# Allegro board Single PMT Data AcquisitionV_3P3.brd (continued)
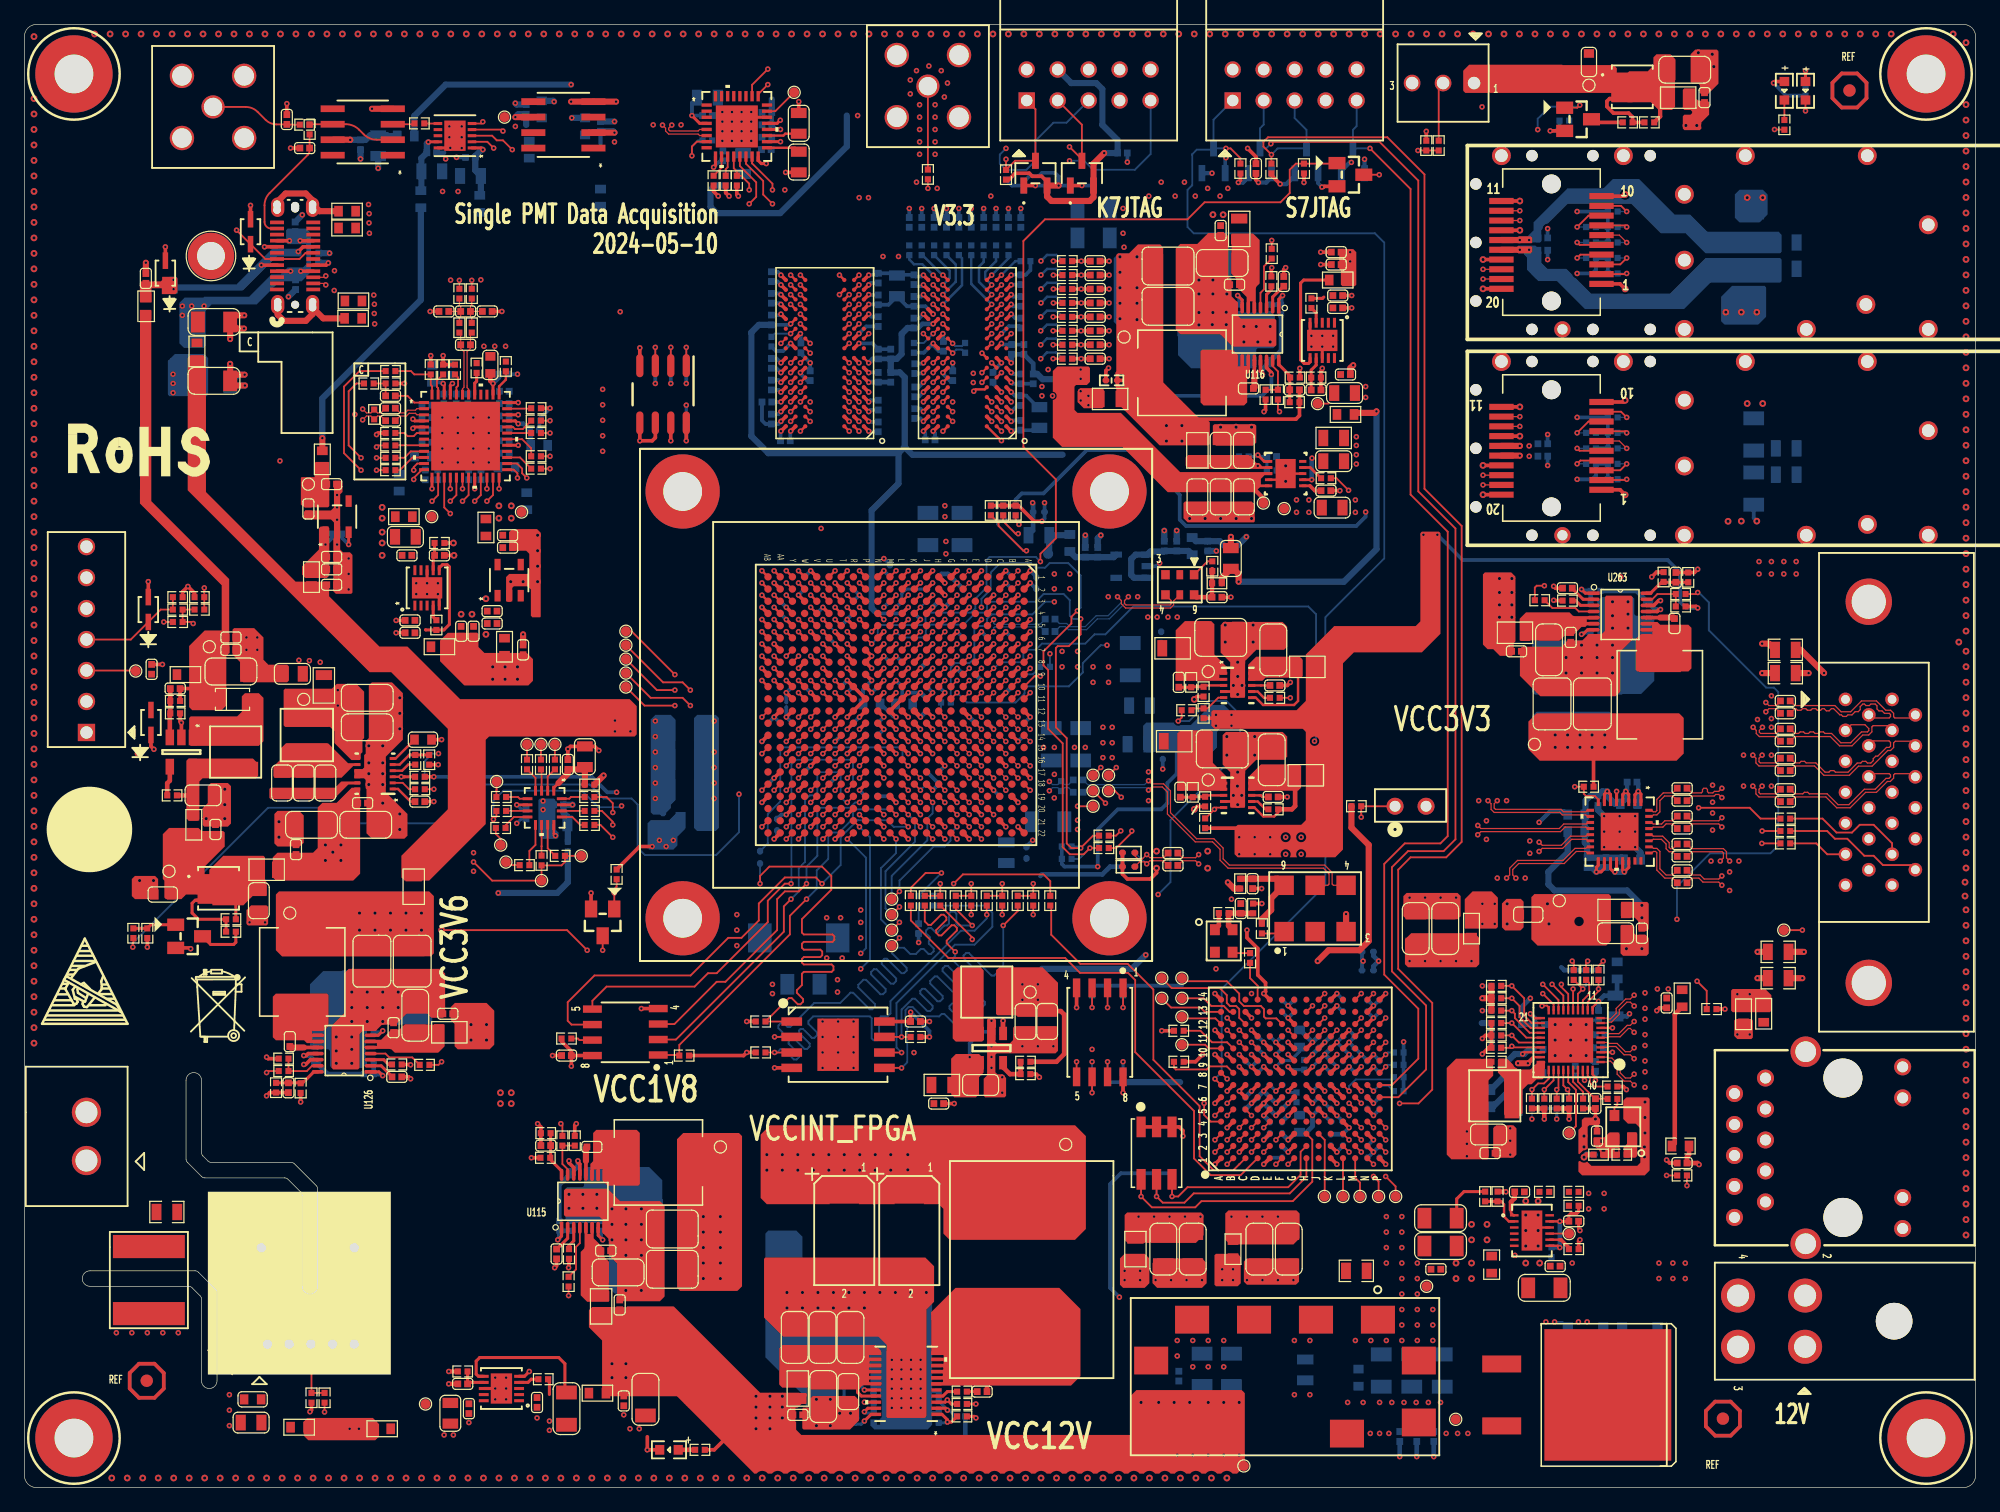
[diagram p0: board, top side]
## Copper pours and planes (outline as drawn; the poured copper is in the pictures) (continued)
N16645850 on BOTTOM: 103.89,12.45 106.05,12.45 106.17,12.32 106.17,10.16 106.05,10.03 103.89,10.03 103.76,10.16 103.76,12.32
N16650422 on TOP: 122.5,20.45 121.59,20.45 120.99,19.85 120.99,14.57 122.35,13.21 123.75,13.21 124,12.95 124,2.54 124.25,2.29 135,2.29 135.18,2.46 135.18,13.97 134.54,14.61 122.6,14.61 121.57,15.63 121.57,19.95 121.87,20.24 122.5,20.24 122.53,20.27 122.53,20.42
N16650422 on BOTTOM: 124.46,14.1 128.14,14.1 128.4,13.84 128.4,11.56 128.27,11.43 124.59,11.43 124.21,11.81 124.21,13.84
N16650476 on TOP: 124.79,24.82 124.79,22.56 124.71,22.48 124.71,22.28 124.76,22.23 125.93,22.23 126.54,22.83 126.84,22.83 126.89,22.89 126.89,24.71 126.67,24.94 124.91,24.94
N16650604 on TOP: 119.88,18.64 120.7,18.64 120.77,18.72 120.77,19.94 121.56,20.73 122.53,20.73 122.55,20.75 122.55,20.95 122.53,20.98 121.33,20.98 119.83,19.48 119.83,18.69
N16650648 on TOP: 120.72,17.91 120.72,12.93 122.86,10.79 122.86,9.53 122.73,9.4 119.81,9.4 119.55,9.65 119.55,10.79 119.81,11.05 119.81,17.86 119.94,17.98 120.65,17.98
N16651124 on BOTTOM: 129.16,14.1 131.32,14.1 131.44,13.97 131.44,11.68 131.19,11.43 129.16,11.43 129.03,11.56 129.03,13.97
N16671344 on TOP (solid shape): 70.25,11.2 70.25,10.88 69.31,10.88 69.25,10.83 69.25,10.7 69.31,10.65 70.25,10.65 70.25,10.38 69.34,10.38 69.29,10.33 69.29,10.21 69.34,10.16 70.25,10.16 70.25,9.87 69.3,9.87 69.25,9.82 69.25,9.7 69.3,9.65 70.26,9.65 70.26,9.38 69.31,9.38 69.26,9.32 69.26,9.2 69.31,9.15 70.25,9.15 70.25,8.87 69.32,8.87 69.26,8.82 69.26,8.69 69.32,8.64 70.26,8.64 70.26,8.63 70.28,8.61 70.28,8.43 70.23,8.38 69.91,8.38 69.87,8.39 69.83,8.39 68.88,8.39 68.84,8.39 68.76,8.38 68.74,8.36 68.61,8.28 68.53,8.15 68.52,8.14 68.42,8.04 64.53,8.04 64.37,8.2 62.15,8.2 61.9,8.45 61.9,11.43 62.16,11.7 69.76,11.7
N16672704 on TOP (solid shape): 86.6,14.64 86.6,9.14 85.83,8.37 74.36,8.37 74.36,8.62 74.39,8.65 75.28,8.65 75.33,8.7 75.33,8.82 75.28,8.87 74.39,8.87 74.36,8.89 74.36,9.15 75.26,9.15 75.31,9.2 75.31,9.32 75.26,9.37 74.36,9.37 74.36,9.63 74.39,9.66 75.3,9.66 75.35,9.71 75.35,9.82 75.3,9.87 74.36,9.87 74.36,10.13 74.39,10.15 75.33,10.15 75.38,10.2 75.38,10.32 75.33,10.37 74.39,10.37 74.36,10.4 74.36,10.63 74.38,10.65 75.33,10.65 75.38,10.7 75.38,10.82 75.33,10.87 74.36,10.87 74.36,13.68 74.34,14.37 76.35,16.38 84.86,16.38
N16716267 on TOP (solid shape): 101.29,102.31 101.29,98.76 101.09,98.55 101.01,98.47 101.01,98.43 100.98,98.35 100.98,98.28 100.98,96.78 100.98,96.71 101,96.64 101,96.43 101.01,96.38 100.91,96.28 100.77,96.28 100.71,96.34 100.71,97.28 100.5,97.28 100.5,96.37 100.42,96.28 100.3,96.28 100.22,96.36 100.22,97.64 99.36,98.5 99.36,99.16 98.98,99.54 98.98,102.84 100.76,102.84
N16716703 on TOP (solid shape): 99.48,92.93 99.48,91.96 99.74,91.96 99.74,92.93 99.99,92.93 99.99,91.99 100.24,91.99 100.24,92.93 100.42,92.93 100.5,92.85 100.5,91.54 100.27,91.31 100.27,89 100.02,88.75 96.69,88.75 96.44,89 96.44,93.19 96.57,93.32 99.09,93.32
N16720636 on TOP (solid shape): 101.04,84.02 101.24,84.02 101.49,83.77 102.31,83.77 102.33,83.74 102.33,83.57 102.31,83.54 95.5,83.54 95.22,83.82 95.22,84.48 95.42,84.68 100.38,84.68
N16720676 on TOP: 104.64,84.05 105.71,84.05 106.22,83.54 106.78,83.54 106.93,83.69 106.93,86.49 106.65,86.77 105,86.77 104.52,86.28 104.52,84.18
N21585846 on TOP (solid shape): 27.56,57.86 27.56,57.71 27.5,57.66 26.56,57.66 25.37,56.46 20.19,56.46 20.09,56.57 20.09,57.3 20.19,57.4 25.47,57.4 25.98,57.91 27.5,57.91
N21585860 on TOP (solid shape): 26.54,59.41 27.53,59.41 27.56,59.39 27.56,59.21 27.53,59.18 26.97,59.18 26.01,58.22 20.54,58.22 20.42,58.34 20.42,59.13 20.98,59.69 20.98,60.58 21.43,61.04 24.91,61.04
N21585885 on TOP (solid shape): 27.86,65.28 27.86,61.47 27.72,61.33 27.72,60.31 27.58,60.17 27.58,59.79 27.45,59.66 26.82,59.66 25.42,61.06 25.42,62.03 25.07,62.38 21.38,62.38 21.26,62.51 21.26,65.41 21.39,65.53 21.4,65.52 25.23,65.52 25.23,65.53 25.61,65.91 27.23,65.91
N21585885 on BOTTOM: 25.32,65.79 27.1,65.79 27.35,65.53 27.35,63.75 27.1,63.5 25.32,63.5 25.07,63.75 25.07,65.53
N21623544 on BOTTOM: 42.62,81.81 41.83,81.03 33.12,81.03 32.43,81.71 32.43,82.8 32.58,82.96 39.52,82.96 39.92,83.36 39.92,84.23 39.57,84.58 39.57,86.11 39.77,86.31 40.18,86.31 40.28,86.21 40.28,85.8 40.36,85.72 40.69,85.72 40.84,85.57 40.84,84.86 41.09,84.61 42.29,84.61 42.62,84.28
N21623731 on BOTTOM: 37.17,93.01 41.57,93.01 42.14,92.43 42.14,90.28 40.81,88.94 40.79,88.96 40.79,87.88 40.56,87.66 40.36,87.66 40.15,87.45 40.15,86.77 40,86.61 39.65,86.61 39.49,86.77 39.49,90.17 39.65,90.32 40.53,90.32 40.54,90.32 41.06,90.85 41.06,91.86 40.93,91.99 38.02,91.99 36.62,90.59 36.62,89.53 36.5,89.41 33.07,89.41 32.81,89.15 32.81,88.98 32.86,88.93 32.86,85.57 32.75,85.46 32.69,85.46 32.3,85.08 32.3,84.07 32.18,83.95 31.67,83.95 31.42,83.69 31.42,82.98 31.24,82.8 30.1,82.8 29.84,83.06 29.91,83.12 29.91,85.36 31.42,86.87 31.42,89.41 32.05,90.04 34.46,90.04 34.72,90.3 34.72,91.44 34.84,91.57 35.73,91.57
N21721339 on TOP (solid shape): 19.61,64.77 19.61,61.21 19.22,60.83 13.64,60.83 13.51,60.96 13.51,63.12 13.64,63.25 17.45,63.25 17.83,63.63 17.83,64.9 18.08,65.15 19.22,65.15
N21721913 on TOP (solid shape): 19.1,59.44 19.1,58.29 18.97,58.17 14.6,58.17 14.35,57.91 14.35,54.84 14.19,54.69 13.48,54.69 13.28,54.89 13.28,59.61 13.46,59.79 18.74,59.79
N21859607 on TOP (solid shape): 141.73,38.31 141.73,36.91 141.6,36.78 140.46,36.78 140.21,37.04 140.21,38.31 140.34,38.43 141.6,38.43
N21859607 on BOTTOM: 143.51,38.99 143.86,38.64 143.86,33.15 143.48,32.77 141.98,32.77 141.53,33.22 141.53,34.52 141.49,34.55 141.49,34.91 139.83,36.58 139.83,38.73 140.08,38.99
N21907487 on TOP (solid shape): 119.42,35.18 119.55,35.15 119.69,35.18 119.7,35.18 120.32,35.18 120.44,35.05 120.44,33.78 120.06,33.4 120.06,27.05 119.94,26.92 117.01,26.92 116.63,27.3 116.63,34.42 117.39,35.18 119.41,35.18
N21907487 on BOTTOM: 127.56,31.24 127.56,30.73 124.76,27.94 121.46,27.94 119.94,29.46 118.28,29.46 118.03,29.21 118.03,26.92 118.79,26.16 124.63,26.16 128.82,30.35 128.82,31.24 128.7,31.37 127.68,31.37
N21907530 on BOTTOM: 127.3,31.62 129.84,31.62 130.48,32.26 130.48,37.85 130.35,37.97 129.71,37.97 129.33,37.59 129.33,33.15 129.08,32.89 128.32,32.89 128.19,33.02 128.19,33.91 128.06,34.04 127.05,34.04 126.92,33.91 126.92,33.15 127.17,32.89 127.17,31.75
N21907745 on TOP (solid shape): 122.09,34.68 122.09,34.67 122.19,34.51 122.34,34.41 122.36,34.41 122.47,34.29 123.49,34.29 124.2,35 124.64,35 124.71,34.92 124.71,34.81 124.69,34.81 124.69,34.38 124.67,34.32 124.66,34.25 124.66,33.67 124.47,33.48 123.99,33.48 123.58,33.07 123.29,33.07 122.86,32.64 122.86,30.71 122.53,30.38 121.56,30.38 121.33,30.61 121.33,33.53 120.82,34.04 120.82,35.05 120.95,35.18 121.59,35.18
N21908106 on BOTTOM: 123.85,35.05 122.35,35.05 122.2,34.9 122.2,33.73 121.59,33.12 121.59,32.33 121.74,32.18 122.88,32.18 123.01,32.31 123.01,32.79 124,33.78 124,34.9
N22223356 on TOP (solid shape): 25,84.05 25,80.52 24.88,80.39 22.91,80.39 22.67,80.63 22.67,82.81 22.73,82.87 23.8,82.87 23.8,84.03 23.89,84.12 24.94,84.12
N22223461 on TOP (solid shape): 25,78.69 25,74.8 24.8,74.6 23.05,74.6 22.77,74.88 22.77,75.55 24.15,76.93 24.15,78.68 24.29,78.82 24.88,78.82
N22237436 on TOP (solid shape): 135.36,117.17 135.36,113.23 135.1,112.98 134.01,112.98 133.37,113.61 131.47,113.61 131.26,113.82 131.26,115.82 131.59,116.15 133.12,116.15 133.58,116.62 133.58,117.3 133.83,117.55 134.98,117.55
N22238566 on TOP: 31.75,69.47 31.75,72.64 31.88,72.77 32.89,72.77 33.15,72.52 33.15,69.85 33.78,69.22 33.78,68.45 33.53,68.2 33.02,68.2
N22238635 on TOP: 37.08,78.49 39.24,78.49 39.37,78.36 39.37,75.44 39.12,75.18 37.08,75.18 36.96,75.31 36.96,78.36
N22238732 on TOP: 38.48,73.66 39.12,73.66 39.12,72.64 39.37,72.39 40.26,72.39 40.39,72.52 40.39,73.53 40.51,73.66 41.02,73.66 41.15,73.53 41.15,71.5 40.01,70.36 40.01,69.47 39.88,69.34 38.61,69.34 38.48,69.47
N22244746 on TOP (solid shape): 34.46,36.2 33.93,35.66 30.38,35.66 30.17,35.86 30.08,35.95 30.05,35.95 29.97,35.97 29.9,35.98 28.39,35.98 28.33,35.97 28.26,35.95 28.05,35.95 28,35.95 27.9,36.05 27.9,36.22 28.9,36.22 28.9,36.45 27.9,36.45 27.9,36.66 27.97,36.73 29.25,36.73 30.12,37.59 30.78,37.59 31.16,37.97 34.46,37.97
N22244969 on TOP (solid shape): 24.94,40.39 24.94,37.86 24.55,37.47 23.58,37.47 23.58,37.22 24.55,37.22 24.55,36.96 23.61,36.96 23.61,36.71 24.55,36.71 24.55,36.53 24.47,36.45 23.16,36.45 22.93,36.68 20.62,36.68 20.37,36.94 20.37,40.26 20.62,40.51 24.81,40.51
N22244981 on TOP (solid shape): 33.58,48.51 33.58,43.81 33.33,43.57 32.81,43.57 32.8,43.56 21.13,43.56 20.62,44.07 20.62,48.64 20.88,48.9 33.19,48.9
N22244981 on BOTTOM (solid shape): 33.45,47.24 33.45,44.2 33.07,43.81 27.1,43.81 26.97,43.94 26.97,47.37 27.23,47.62 33.07,47.62
N22251628 on TOP (solid shape): 46.17,21.72 46.17,20.8 46.43,20.8 46.43,21.74 46.45,21.77 46.65,21.77 46.69,21.73 46.69,20.44 46.81,20.31 46.81,20.32 47.55,19.59 47.55,18.92 47.93,18.54 47.93,15.24 46.15,15.24 45.62,15.77 45.62,19.33 45.82,19.53 45.9,19.62 45.9,19.65 45.92,19.73 45.93,19.8 45.93,21.31 45.92,21.37 45.9,21.45 45.9,21.65 45.9,21.7 45.99,21.79 46.1,21.79
N22251845 on TOP (solid shape): 50.47,29.08 50.47,24.89 50.34,24.77 47.81,24.77 47.42,25.16 47.42,26.12 47.17,26.12 47.17,25.16 46.92,25.16 46.92,26.1 46.66,26.1 46.66,25.16 46.48,25.16 46.41,25.23 46.41,26.54 46.64,26.77 46.64,29.08 46.89,29.34 50.21,29.34
N22256821 on TOP (solid shape): 126.9,71.58 126.98,71.5 127.02,71.5 127.1,71.48 127.17,71.47 128.68,71.47 128.74,71.48 128.81,71.49 129.02,71.49 129.07,71.5 129.17,71.4 129.17,71.33 129.04,71.2 128.12,71.2 128.12,71 129.06,71 129.1,70.95 129.1,70.72 129.09,70.71 128.13,70.71 128,70.59 127.69,70.59 126.95,69.85 126.29,69.85 125.91,69.47 122.61,69.47 122.61,71.25 123.14,71.78 126.69,71.78
N22257033 on TOP (solid shape): 134.14,70.76 136.45,70.76 136.7,70.51 136.7,67.19 136.45,66.93 132.26,66.93 132.13,67.06 132.13,69.58 132.52,69.98 133.49,69.98 133.49,70.23 132.52,70.23 132.52,70.48 133.46,70.48 133.46,70.74 132.52,70.74 132.52,70.92 132.6,70.99 133.91,70.99
N22390089 on TOP (solid shape): 104.69,59.18 104.69,57.4 104.44,57.15 101.28,57.15 101.27,57.15 100.64,57.15 100.43,57.15 100.35,57.23 100.35,58.27 101.39,59.31 104.57,59.31
N22391841 on TOP (solid shape): 97.46,61.98 97.46,59.44 98.57,58.32 98.57,57.2 98.52,57.15 94.66,57.15 94.53,57.28 94.53,61.85 94.79,62.1 97.33,62.1
N22401669 on TOP (solid shape): 97.58,70.81 97.58,68.33 98.6,67.31 98.6,66.67 97.99,66.67 97.99,66.4 98.6,66.4 98.6,66.27 98.5,66.17 94.53,66.17 94.41,66.29 94.41,70.31 95.16,71.07 97.32,71.07
N22401706 on TOP (solid shape): 104.82,67.89 104.82,66.55 104.69,66.42 103.95,66.42 103.88,66.44 103.81,66.45 103.73,66.44 103.66,66.42 101.77,66.42 101.52,66.17 101.28,66.17 101.27,66.17 100.64,66.17 100.43,66.17 100.35,66.24 100.35,67.49 101.01,68.15 104.57,68.15
N22509269 on TOP (solid shape): 78.66,35.18 78.66,34.04 78.28,33.66 78.28,32.26 78.03,32 76.25,32 75.99,32.26 75.99,35.18 76.37,35.56 78.28,35.56
N22509340 on TOP (solid shape): 78.66,42.42 78.66,36.7 78.53,36.58 76.37,36.58 76.12,36.83 76.12,42.29 76.5,42.67 78.41,42.67
N22521418 on TOP: 20.49,12.32 20.49,9.65 22.14,8 22.14,4.45 21.84,4.14 19.28,4.14 18.97,4.45 18.97,7.75 17.95,8.76 17.95,12.06 18.34,12.45 20.37,12.45
N22521569 on TOP: 18.69,19.2 18.84,19.05 20.11,19.05 20.37,19.3 20.37,22.69 19.56,23.5 12.19,23.5 12.06,23.37 12.06,21.97 12.19,21.84 18.16,21.84 18.69,21.31
N22674208 on TOP: 45.59,111.51 48.64,111.51 48.77,111.38 48.77,110.11 48.64,109.98 48.13,109.98 48.01,110.11 48.01,110.49 47.88,110.62 45.59,110.62 45.47,110.74 45.47,111.38
N22674208 on BOTTOM: 45.59,111.38 46.61,111.38 46.74,111.25 46.74,110.87 46.86,110.74 47.88,110.74 48.01,110.87 48.01,111.38 48.13,111.51 48.77,111.51 48.9,111.38 48.9,106.3 48.77,106.17 45.72,106.17 45.47,106.43 45.47,111.25
N22674912 on TOP: 38.86,113.03 42.67,113.03 42.8,112.9 42.8,111.89 42.67,111.76 40.64,111.76 40.26,111.38 39.88,111.38 39.37,111.89 38.86,111.89 38.73,112.01 38.73,112.9
N22674912 on BOTTOM: 39.88,112.78 40.39,112.78 40.51,112.65 40.51,112.14 40.64,112.01 41.53,112.01 41.66,112.14 41.66,112.65 41.78,112.78 42.8,112.78 43.05,112.52 43.05,110.36 42.8,110.11 40.26,110.11 39.75,110.62 39.75,112.65
N22711871 on BOTTOM: 56.26,108.2 56.26,108.97 56.39,109.09 57.4,109.09 58.17,108.33 60.07,108.33 60.96,109.22 60.96,111 61.85,111 62.23,110.62 62.23,108.97 60.58,107.31 57.15,107.31
N22738596 on TOP (solid shape): 19.73,51.69 19.73,49.78 19.86,49.66 19.86,48.51 18.72,48.51 17.95,47.75 15.41,47.75 15.41,47.88 15.16,48.13 15.16,50.67 16.3,51.82 19.61,51.82
N23031480 on TOP: 31.5,75.18 31.5,80.01 31.75,80.26 33.66,80.26 33.91,80.01 33.91,78.74 33.66,78.49 33.02,78.49 32.89,78.36 32.89,76.2 32.64,75.95 32.64,74.93 32.51,74.8 31.88,74.8
N23034655 on TOP: 106.43,99.54 107.44,99.54 107.57,99.42 107.57,95.1 106.3,95.1 106.3,99.42
N23036008 on TOP: 106.81,92.94 106.81,87.76 107.06,87.5 107.72,87.5 108.2,87.99 108.2,92.94 108.08,93.07 106.93,93.07
N23037879 on TOP: 40.13,8.26 43.43,8.26 43.69,8.51 46.35,8.51 46.61,8.26 46.61,7.24 46.48,7.11 41.02,7.11 40.89,6.99 40.13,6.99
N23038035 on TOP: 32.13,7.75 38.1,7.75 38.1,6.73 37.85,6.48 34.16,6.48 31.75,4.06 29.97,4.06 29.72,4.32 29.72,5.33
N23372269 on BOTTOM (solid shape): 23.5,102.87 23.5,99.69 22.73,98.93 20.95,98.93 19.05,97.03 15.37,97.03 14.86,96.52 14.86,93.6 14.73,93.47 13.08,93.47 12.7,93.85 12.7,97.16 13.14,97.6 14.67,97.6 14.73,97.66 18.41,97.66 20.26,99.5 21.02,99.5 21.56,100.05 21.56,100.05 21.59,100.08 22.74,100.08 22.74,100.08 22.86,100.08 23.11,100.33 23.11,101.98 21.59,101.98 21.46,102.11 21.46,103.12 21.59,103.25 23.11,103.25
N23372269 on TOP: 12.7,97.16 14.86,97.16 15.11,96.9 15.11,93.85 14.73,93.47 13.08,93.47 12.7,93.85
N23372271 on TOP: 20.13,98.03 20.13,98.44 24.39,98.44 25.04,97.8 26.64,97.8 26.69,97.75 26.69,96.91 26.58,96.8 25.32,96.8 24.09,98.03
N23372301 on TOP: 20.12,103.59 20.12,104.01 26.2,104.01 26.2,102.78 25.17,102.78 25.17,103.62 24.45,103.62 24.42,103.59

Small or netless copper shapes (teardrops, artwork), in the pictures only: 5 on TOP

## Text on the board
Ref Des/Silkscreen Bottom: D | C
Ref Des/Silkscreen Top: C | * | Single PMT Data Acquisition | 2024-05-10 | V3.3 | K7JTAG | S7JTAG | 12V | VCCINT_FPGA | VCC3V3 | VCC1V8 | VCC12V | VCC3V6
DIMENSION: Single PMT Data Acquisition | V3.0 | V3.1 | V2.0 | INITIAL RELEASE | GaoJun | WEIZHUANG | 2023-12-05 | 2024-01-03 | 2023-05-25 | THIS AREA IS OPEN WINDOW. | Single Impedance | Diff Impedance | 100 ohm | 80 ohm | 40 ohm | 50 ohm | POWER08 | PREPREG | GND02 | GND09 | CORE | POWER07 | ART01 | GND04 | ART05 | GND06 | ART10 | ART03 | Layer | 1,10 | 3.8 | 3,8 | 6 | Trace Width(mil) | Trace W/S(mil) | Layer Stack up | 4.5/4 | 6.5/5 | 4/12 | 6.5 | 4/6 | 5/5 | Solder Bot | Silk Bot | 4.5 | Solder Top | 4 | 8 | 7 | Silk Top | Tolerance | + | - | 10% | Frequncy(MHZ) | Default | Thickness (mil) | 1.42(1oz+plating) | 1.18(1 oz) | 11.42 | 3.66 | 3.9 | 17.32 | Remark | 1--Gerber TOP | 2--GROUND PLANE02 | 3--Gerber LAYER03 | 4--GROUND PLANE04 | 5--Gerber LAYER05 | 6--GROUND PLANE06 | 7--POWER PLANE07 | 8--POWER PLANE08 | 9--GROUND PLANE09 | 10--GROUND BOTTOM
User.17: The target layer = gnd9 . The depth of backdrill | less than 10mil away from the target layer | Do not cut layer=gnd9 .
User.18: FIGURE | SIZE | 0.2032 | 0.254 | 0.6071 | 0.7112 | 0.762 | 0.8382 | 0.889 | 0.8999 | 0.9398 | 1.016 | 1.0414 | 1.4986 | 1.6002 | 1.7 | 1.8001 | 1.8034 | 2.286 | 2.794 | 2.9972 | 3.175 | 0.6579 | 1.5494 | 3.1999 | DRILL CHART: TOP to BOTTOM | ALL UNITS ARE IN MILLIMETERS | TOLERANCE | +0.0508/-0.0508 | +0.0/-0.0 | +0.0762/-0.0762 | PLATED | NON-PLATED | QTY | 1878 | 690 | 8 | 26 | 7 | 2 | 14 | 20 | 1 | 22 | 4 | 3 | 18
User.19: NOTES: | - DRILL SIZES LISTED IN LEGEND | ARE CONSIDERED FINISHED. | - VENDOR IS REQUIRED TO SELECT | TOOLING FOR OVERDRILLING. | - LEGEND DOES NOT SPECIFY DEPTH | INTO ADJACENT DIELECTRIC LAYER. | FIGURE | SIZE | 0.2032 | BACKDRILL: BOTTOM to GND09 | ALL UNITS ARE IN MILLIMETERS | TOLERANCE | +0.0508/-0.0508 | PLATED | QTY | 16
